# Altium PCB joyv2.PcbDoc
Units mil, origin at the board's own origin, x right, y up, seen from the top; angles counter-clockwise.
Board outline 3891.38 x 2896.04 mil, 2 copper layers (Top Layer, Bottom Layer); 46 components, 51 nets, 194 pads, 42 vias.
Unrouted connection lines stored in the file: 5.
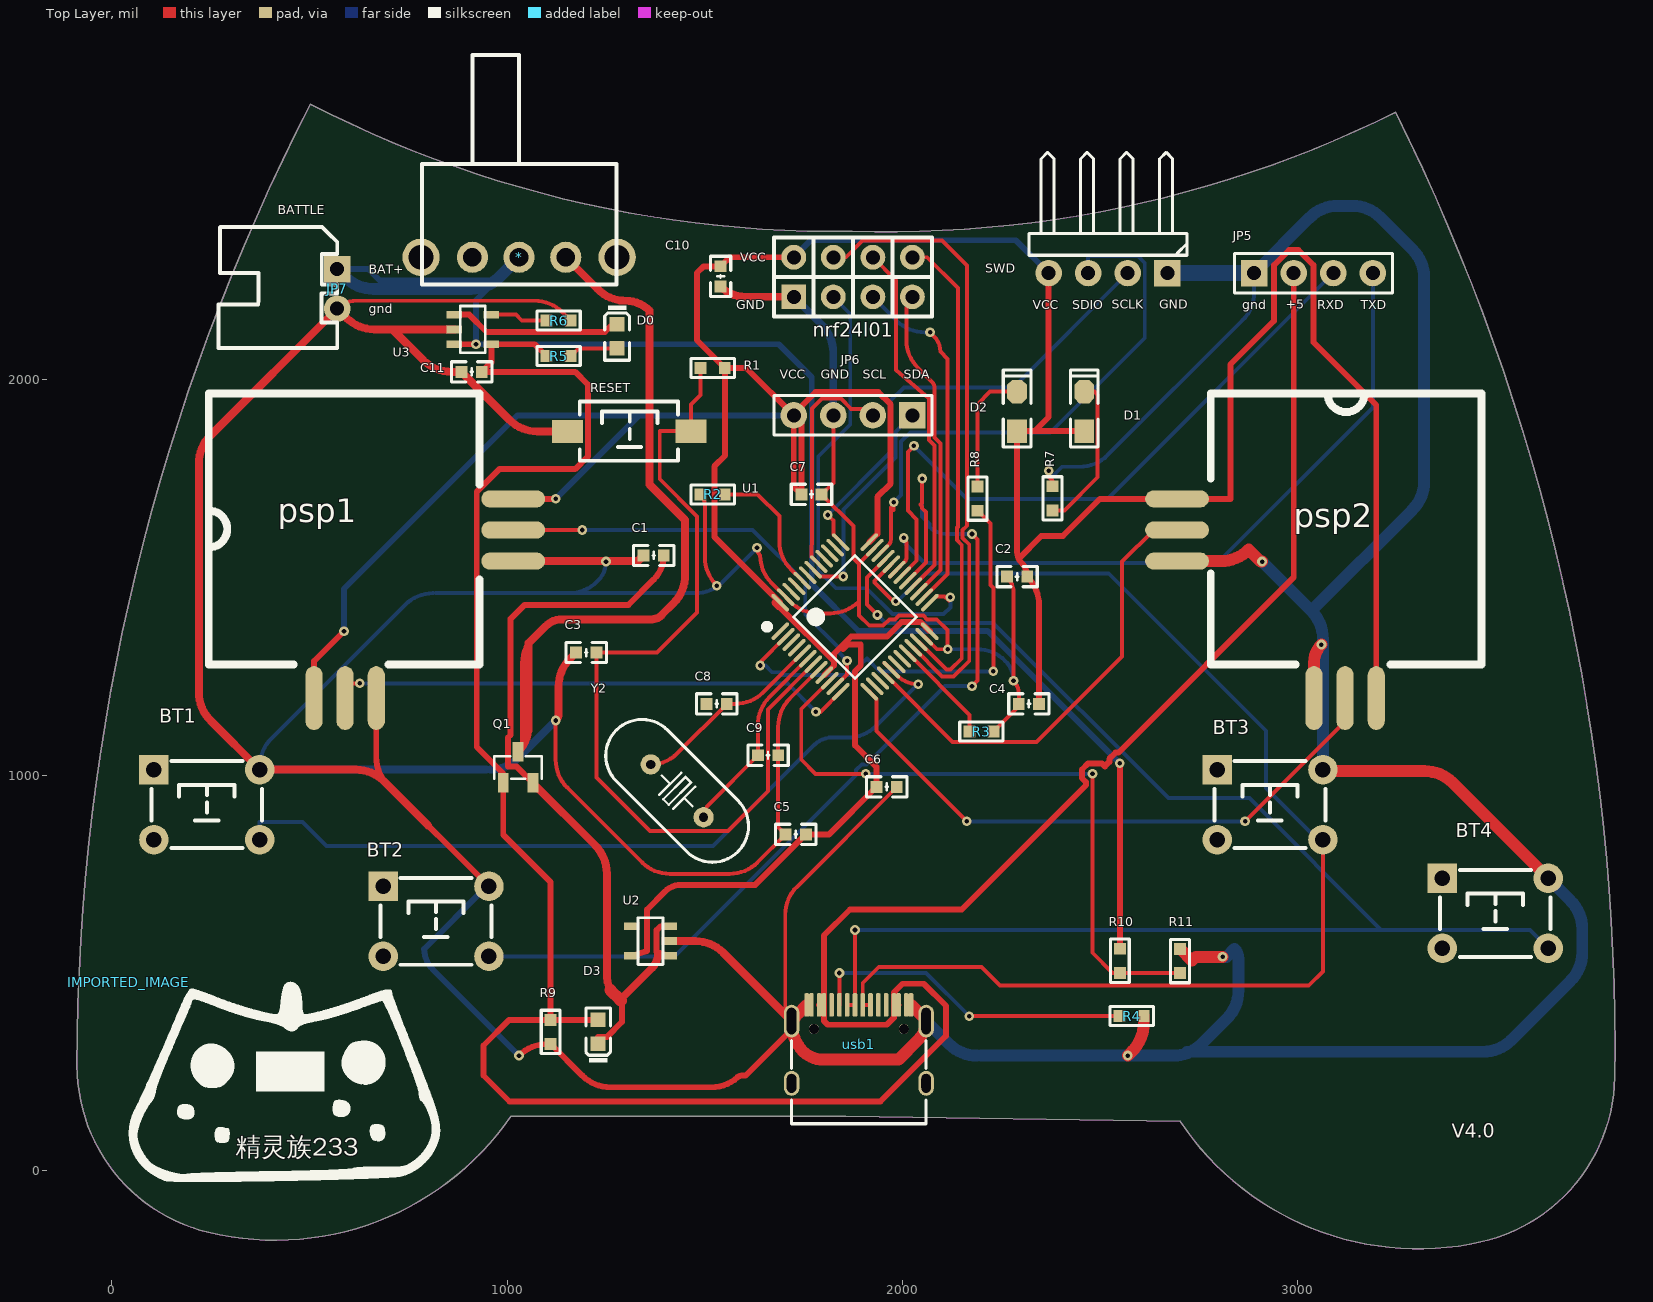
[diagram p0: Top Layer view]
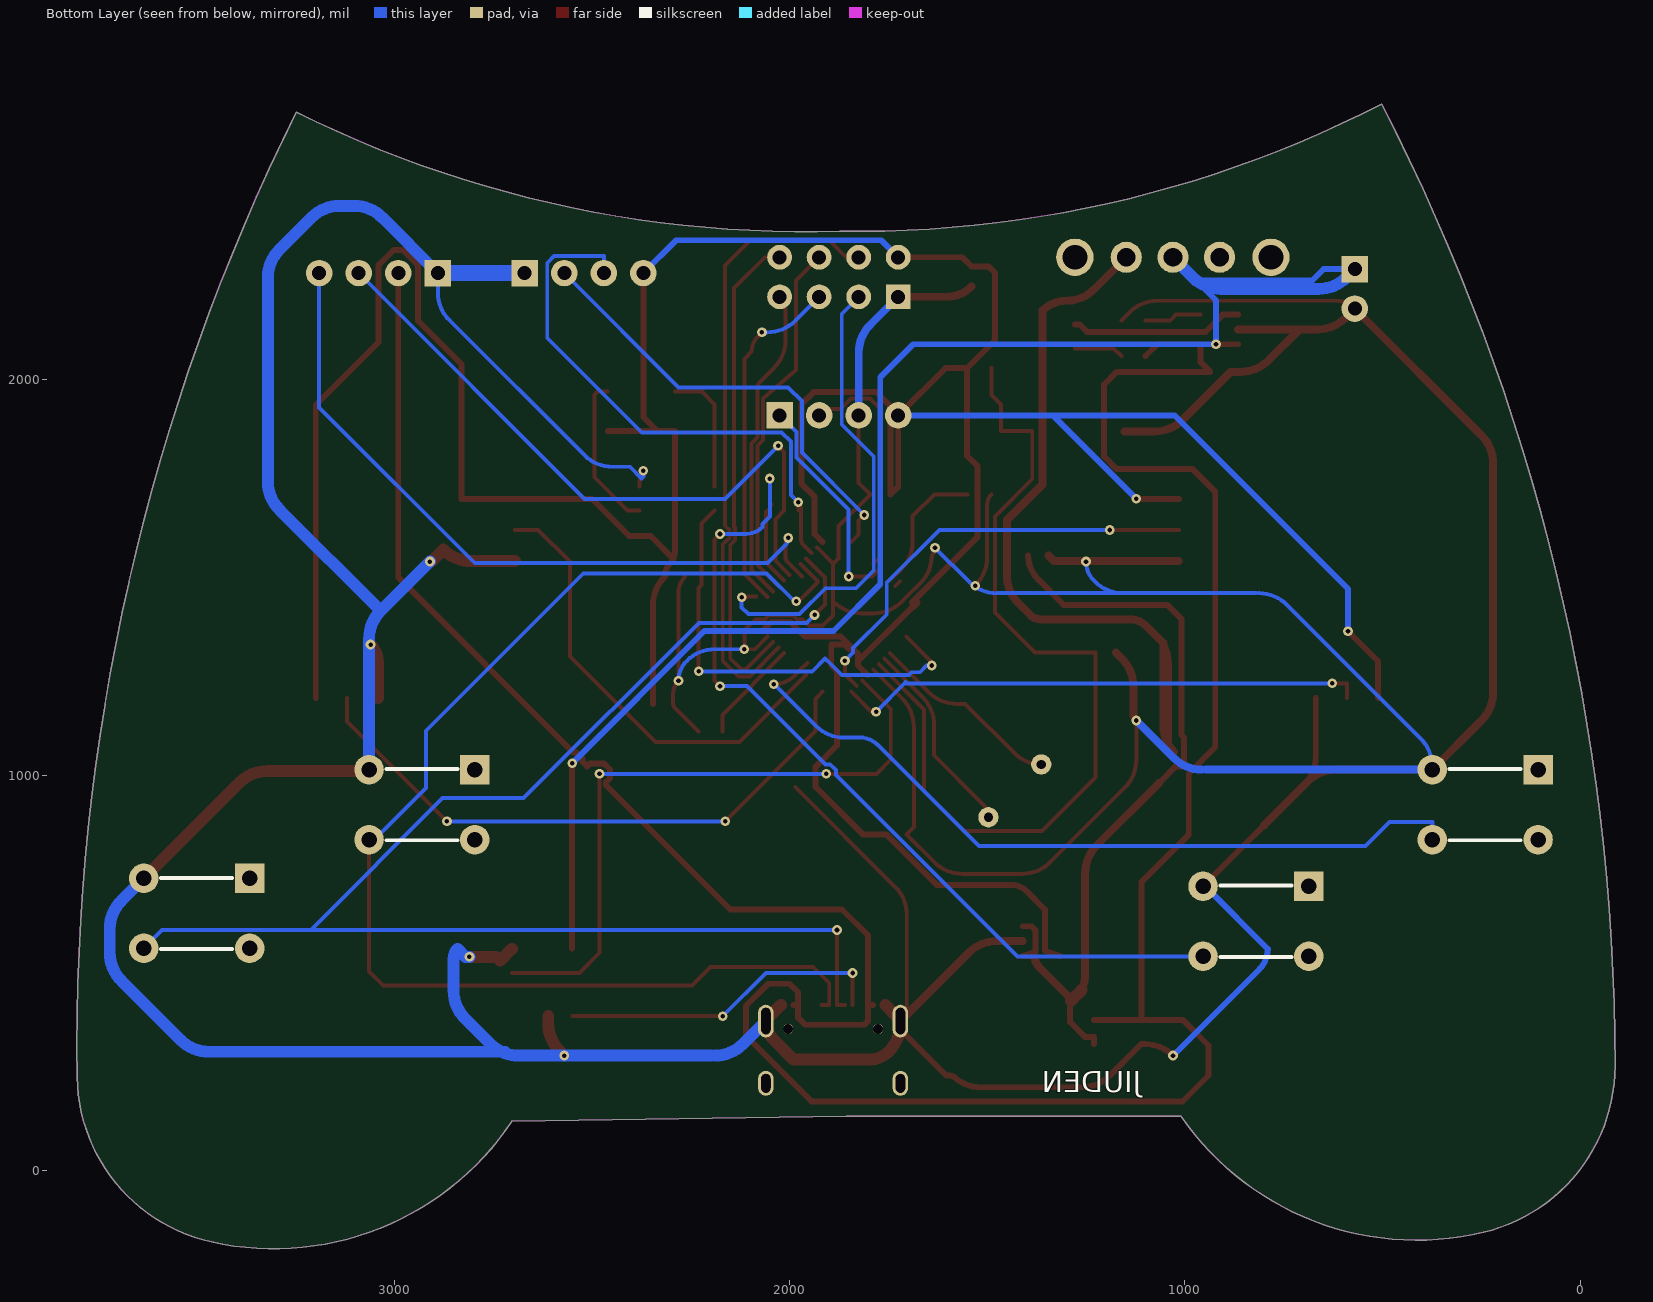
[diagram p1: Bottom Layer view, seen from below]

## Layer stack, top to bottom
Top Solder: solder mask 0.4, Solder Resist, Dk 3.5
Top Layer: signal copper 1.4
Dielectric 1: dielectric 12.6, FR-4, Dk 4.8
Bottom Layer: signal copper 1.4
Bottom Solder: solder mask 0.4, Solder Resist, Dk 3.5

## Board outline
244.5,-157.25 cw(c345.17,264.58) -88.5,264.58 cw(c5216.45,264.58) 502.27,2697.5 ccw(c1828.77,5267.79) 1872.79,2375.72 ccw(c1960.09,5266.81) 3247.97,2676.96 cw(c-1502.07,314.84) 3802.28,235.47 cw(c3368.66,241.96) 3463,-181.32 cw(c3305.38,525.91) 2702.44,124.04 1856.04,136.71 1009.55,136.71 cw(c412.69,547.55)

## Design rules (kind name [scope] priority, off if disabled: settings)
Clearance [All] p1: gap=3.94 ignorepadtopadclearanceinfootprint=FALSE except(6.69: Arc-Via Track-Via; 9.84: Via-Via)
PolygonConnect [All] p1: connectstyle=Relief reliefconductorwidth=10 reliefentries=4 polygonreliefangle="90 Angle" airgapwidth=10
RoutingVias [All] p1: holewidth=11.81 width=24.68 viastyle="Through Hole" minholewidth=9.84 minwidth=17.72 maxholewidth=40 maxwidth=50
SolderMaskExpansion [All] p1: expansion=4
Width POWER [InNetClass('power')] p1: maxlimit=100 minlimit=5 preferedwidth=15
Width [All] p2: maxlimit=100 minlimit=6 preferedwidth=10
30 further rules are at their usual default settings.

## Classes and differential pairs
net class power: +5 BAT BATIN NetC1_2 NetD0_K VCC

## Components (designator, comment, footprint, x,y, rotation, side; value= is the part's Value field where it differs from the comment)
* "拨动开关" SS-12F23 1030,2310 r90 top
BT1 "6x6x5" "TSW DIP-6*6*6" 240,925 r0 top
BT2 "6x6x5" "TSW DIP-6*6*6" 820,630 r0 top
BT3 "6x6x5" "TSW DIP-6*6*6" 2930,925 r0 top
BT4 "6x6x5" "TSW DIP-6*6*6" 3500,650 r0 top
C1 "1uf" "C 0603_L" 1370.6,1555.57 r0 top
C2 "1uf" "C 0603_L" 2290,1501.92 r0 top
C3 "104" "C 0603_L" 1200,1310 r0 top
C4 "104" "C 0603_L" 2320,1180 r0 top
C5 "104" "C 0603_L" 1730,850 r0 top
C6 "10uf" "C 0603_L" 1960,970 r0 top
C7 "104" "C 0603_L" 1770,1710 r0 top
C8 "22pf" "C 0603_L" 1530,1180 r0 top
C9 "22pf" "C 0603_L" 1660,1050 r180 top
C10 "10uf" "C 0603_L" 1539.8,2261.58 r90 top
C11 "10uf" "C 0603_L" 910,2020 r0 top
D0 "红灯 0603" LC-0603_LED_S1 1278.03,2110 r270 top
D1 "LED" "LED 0805G" 2460,1920 r90 top
D2 "LED" "LED 0805G" 2290,1920 r90 top
D3 "红灯 0603" LC-0603_LED_S1 1230,350 r90 top
IMPORTED_IMAGE "Comment" IMPORTED_IMAGE 42.89,475.8 r0 top
JP5 "HDR-1X4" HDR2.54-M-LI-4P 3040,2270 r0 top
JP6 "HDR-1X4" HDR2.54-M-LI-4P 1875,1910 r180 top
JP7 "HDR-1X2" XH2.54-WI-2P 570,2230 r270 top
nrf24l01 "Header 4X2" HDR2.54-LI-2x4P 1875,2260 r0 top
psp1 "1" PSP摇杆 590,1620 r0 top
psp2 "" PSP摇杆 3120,1620 r270 top
Q1 "CJ2301" CJ2301 17624.4,17971.99 r270 top
R1 "1K" "R 0603_L" 1520,2030 r0 top
R2 "10K" "R 0603_L" 1520,1710 r180 top
R3 "10K" "R 0603_L" 2200,1110 r180 top
R4 "5.1K" "R 0603_L" 2580,390 r180 top
R5 "2K" "R 0603_L" 1130,2060 r0 top
R6 "2K" "R 0603_L" 1130,2150 r0 top
R7 "680" "R 0603_L" 2380,1700 r270 top
R8 "680" "R 0603_L" 2190,1699.41 r270 top
R9 "10K" "R 0603_L" 1110,350 r90 top
R10 "10K" "R 0603_L" 2550,530 r90 top
R11 "10K" "R 0603_L" 2702.44,529.41 r270 top
RESET "3x6x5" "TSW SMD-3*6*2.5" 1310,1870 r0 top
SWD "HDR-1X4" HDR2.54-WI-4P 2520,2270 r180 top
U1 "STM32F103C8T6" "TQFP48 7x7_L" 1880,1400 r315 top
U2 "ME6211C25M5G-N" SOT23-5 1410,542.6 r270 top
U3 "TP4054" SOT23-5 865.51,2164.8 r90 top
usb1 "USB-C" USB-C 2084.72,422.64 r180 top
Y2 "8MHz" "OSC HC-49S" 1430,960 r135 top

## Footprints (in the part's own frame and the unit in brackets; to place one, negate y for a bottom-side part, rotate by r counter-clockwise, add the part's x,y. Pads: shape width x height; smd on the part's side, far side on the other; paste and mask are expansions set on the pad)
"C 0603_L" [mil] "无极性贴片电容                                       淘宝ID:黄晶宝石"
  rect 30x30 smd: 1(-25.59,0) 2(25.59,0)
  silkscreen extent -51,-26 51,26, body extent -31,-16 31,16, height 32
CJ2301 [mm]
  rect 1.25x0.7 smd: 1(431.596,-422.514) 2(431.596,-420.614) 3(429.597,-421.564)
  silkscreen extent 429.87,-423.09 431.32,-420.04
HDR2.54-LI-2x4P [mm] "双排排针，4x2脚"
  rect 1.6x1.6 hole 0.9: 1(-3.81,-1.27)
  round 1.6 hole 0.9: 2(-3.81,1.27) 3(-1.27,-1.27) 4(-1.27,1.27) 5(1.27,-1.27) 6(1.27,1.27) 7(3.81,-1.27) 8(3.81,1.27)
  silkscreen extent -5.08,-2.54 5.08,2.54, body extent -5.08,-2.54 5.08,2.54, height 8.5
HDR2.54-M-LI-4P [mm] "排母，4脚"
  rect 1.7x1.7 hole 0.9: 1(-3.81,0)
  round 1.7 hole 0.9: 2(-1.27,0) 3(1.27,0) 4(3.81,0)
  silkscreen extent -5.08,-1.27 5.08,1.27, body extent -5.08,-1.27 5.08,1.27, height 8.5
HDR2.54-WI-4P [mm] "弯脚排针，4脚"
  rect 1.7x1.7 hole 0.9: 1(-3.81,0)
  round 1.7 hole 0.9: 2(-1.27,0) 3(1.27,0) 4(3.81,0)
  silkscreen extent -5.08,-7.76 5.08,-1.14, body extent -5.08,-7.77 5.08,1.27, height 4.85
IMPORTED_IMAGE [mil]
  silkscreen extent 0,-505 787,1
LC-0603_LED_S1 [mm]
  rect 0.93x0.98 smd: A(0.77,0) K(-0.77,0)
  silkscreen extent -1.98,-0.79 1.54,0.79, body extent -0.8,-0.4 0.8,0.4, height 0.6
"LED 0805G" [mil] "绿色0805LED"
  rect 60x50 smd: 1(-50,0)
  oct 60x50 smd: 2(50,0)
  silkscreen extent -90,-35 105,35, body extent -39,-25 39,25, height 32
"OSC HC-49S" [mm]
  round 1.3 hole 0.6: 1(-2.4,0) 2(2.4,0)
  silkscreen extent -5.52,-2.32 5.52,2.33, body extent -5.52,-2.32 5.53,2.33, height 4.13
PSP摇杆 [mm]
  oval 4.1x1.1 smd: 1(10.8,2) 2(10.8,0) 3(10.8,-2)
  oval 1.1x4.1 smd: 4(-2,-10.8) 5(0,-10.8) 6(2,-10.8)
  silkscreen extent -8.76,-8.64 8.64,8.76
"R 0603_L" [mil] "1/10W贴片电阻"
  rect 30x30 smd: 1(-30.59,0) 2(30.59,0)
  silkscreen extent -55,-24 55,24, body extent -31,-16 32,16, height 16
SOT23-5 [mm]
  rect 0.5x1 smd: 1(0,0) 2(-0.95,0) 3(-1.9,0) 4(-1.9,-2.4) 5(0,-2.4)
  silkscreen extent -2.45,-2 0.55,-0.4, body extent -2.4,-2.6 0.5,0.2, height 1.09
SS-12F23 [mm] "脚距3mm"
  round 2.4 hole 1.6: 0(0,6.3) 0(0,-6.3)
  round 2 hole 1.2: 1(0,3) 2(0,0) 3(0,-3)
  silkscreen extent -1.75,-6.25 13,6.25, body extent -0.61,-6.52 12.29,6.48, height 5.75
"TQFP48 7x7_L" [mm] "48脚，体宽：7x7mm, 脚距：0.5mm"
  oval 0.25x1.5 smd: 1(-2.75,-4.046) 2(-2.25,-4.046) 3(-1.75,-4.046) 4(-1.25,-4.046) 5(-0.75,-4.046) 6(-0.25,-4.046) 7(0.25,-4.046) 8(0.75,-4.046) 9(1.25,-4.046) 10(1.75,-4.046) 11(2.25,-4.046) 12(2.75,-4.046) 25(2.75,4.046) 26(2.25,4.046) 27(1.75,4.046) 28(1.25,4.046) 29(0.75,4.046) 30(0.25,4.046) 31(-0.25,4.046) 32(-0.75,4.046) 33(-1.25,4.046) 34(-1.75,4.046) 35(-2.25,4.046) 36(-2.75,4.046)
  oval 1.5x0.25 smd: 13(4.046,-2.75) 14(4.046,-2.25) 15(4.046,-1.75) 16(4.046,-1.25) 17(4.046,-0.75) 18(4.046,-0.25) 19(4.046,0.25) 20(4.046,0.75) 21(4.046,1.25) 22(4.046,1.75) 23(4.046,2.25) 24(4.046,2.75) 37(-4.046,2.75) 38(-4.046,2.25) 39(-4.046,1.75) 40(-4.046,1.25) 41(-4.046,0.75) 42(-4.046,0.25) 43(-4.046,-0.25) 44(-4.046,-0.75) 45(-4.046,-1.25) 46(-4.046,-1.75) 47(-4.046,-2.25) 48(-4.046,-2.75)
  silkscreen extent -3.68,-4.57 2.79,2.79, body extent -4.5,-4.5 4.5,4.5, height 1.05
"TSW DIP-6*6*6" [mm] "6*6*6mm"
  rect 1.9x1.9 hole 1: 1(-3.4,2.25)
  round 1.9 hole 1: 2(-3.4,-2.25) 3(3.4,-2.25) 4(3.4,2.25)
  silkscreen extent -3.56,-2.79 3.56,2.79, body extent -4.11,-3 4.11,3, height 5.95
"TSW SMD-3*6*2.5" [mm] "3*6*2.5mm"
  rect 2x1.5 smd: 1(-3.996,-0.02) 2(3.937,0)
  silkscreen extent -3.21,-1.9 3.09,1.9, body extent -4,-1.88 4,1.62, height 2.59
USB-C [mm]
  round 0.65 hole 0.65: 0(2.063,1.647) 0(7.843,1.647)
  oval 1x1.6 hole 0.6 slot 1.2 at 90 deg: 1(0.628,5.147) 2(9.278,5.147)
  oval 1x2.1 hole 0.6 slot 1.7 at 90 deg: 3(9.278,1.147) 4(0.628,1.147)
  rrect50% 0.3x1.5 smd: A1(8.303,0.107) A4(7.503,0.107) A5(6.203,0.107) A6(5.203,0.107) A7(4.703,0.107) A8(3.703,0.107) A9(2.403,0.107) A12(1.603,0.107) B1(1.903,0.107) B4(2.703,0.107) B5(3.203,0.107) B6(4.203,0.107) B7(5.703,0.107) B8(6.703,0.107) B9(7.203,0.107) B12(8.003,0.107)
  silkscreen extent 0.63,2.41 9.28,7.75, body extent 0.48,0.06 9.43,7.81, height 3.26
XH2.54-WI-2P [mm] "接插件，2P"
  rect 1.7x1.7 hole 0.9: 1(-1.27,0)
  round 1.7 hole 0.9: 2(1.27,0)
  silkscreen extent -3.99,-7.62 3.81,0, body extent -3.77,-7.35 3.77,0.35, height 5.73

## Part data
BT1 BT2 BT3 BT4: library part "TSW DIP-6x6", "直插6x6轻触开关", BOM名称=Ö±²å6x6Ç, 唯一出售店铺网址=https://shop463601444.tao, 版权归属=封装库来自淘
C1 C2 C3 C4 C5 C6 C7 C8 C9 C10 C11: library part C, "贴片电容"
D0 D3: library part "0603 红灯", "发光二极管", Package=0603, SuppliersPartNumber=C2286, ComponentLink1Description=供应商, ComponentLink1URL=http://www.szlcsc.com/product/details_2659.html, Supplier=LC
JP5 JP6 SWD: library part "Header 4", "4P接插件"
  JP5 JP6: BOM名称=4P接, 学习资源=https://shop463601444.taobao., 版权归属=封装库来自淘
JP7: library part "Header 2", "2P接插件", BOM名称=2P接, 版权归属=封装库来自淘, 联系售后=https://shop463601444.taobao.
nrf24l01: "4*2P接插件"
psp1 psp2: library part PSP摇杆
R1 R2 R3 R4 R5 R6 R7 R8 R9 R10 R11: library part R, "贴片电阻"
RESET: library part "TSW 3x6", "3x6轻触开关", BOM名称=3x6Çá´, 学习资源=https://shop463601444.taobao., 版权归属=封装库来自淘
Y2: library part XTAL-2P, "2脚无源脚晶振"

## Via types
v1: diameter 24.68, hole 11.81, Top Layer to Bottom Layer, 42 vias

## Nets (pads, with @x,y where several pads share a name; then routed paths per layer and width w, separated by ;. In a path a pad name is that pad's centre, name@x,y a point inside that pad or via, vN(x,y) a via of type N, cw(c..) or ccw(c..) an arc to the next point about the centre after c; other vN are vias at no path point)
+5: C11.2 D3.A JP5.2 Q1.1 R5.1 R9.2 U3.4 usb1.A4 usb1.A9 usb1.B4 usb1.B9 | length 7200.7
  Top Layer w15: R5.1 1069.41,2090 U3.4 960,2044.41 C11.2 1172,2020 1204,1988 1204,1806 1172,1774 980,1774 923,1717 923,1070.75 990,1003.75 Q1.1 990,849 1110,729 R9.2 ; D3.A 1169.27,380.32 1169,380.59 R9.2 ; usb1.A4 usb1.B9 ; usb1.A9 usb1.B4 ; JP5.2 2990,1500 2546.54,1056.54 2539.01,1056.54 2523.46,1040.99 2523.46,1033.46 2511.98,1021.98 2504.42,1029.54 2470.01,1029.54 2454.46,1013.99 2454.46,992.01 2464.56,981.91 2464.56,974.56 2150,660 1867.14,660 1801.14,594 usb1.B9 ; R9.2 1004.76,380.59 940,315.83 940,240 1006,174 1944,174 2110,340 2110,416 2054,472 2000.31,472 1978.31,450 usb1.B4 ; usb1.B9 1801.14,378 1811,368.14 1960.45,368.14 1978.31,386 usb1.B4
BAT: *.2 JP7.1 R10.2 U3.3 | length 4000.1
  Top Layer w15: U3.3 v1(921,2090) ; R10.2 v1(2550,1030)
  Bottom Layer w15: JP7.1 649,2280 678,2251 969.89,2251 ; 971.78,2251.78 921,2201 v1(921,2090) 1687,2090 1770.53,2006.47 1770.53,1482.47 1888.61,1364.39 2215.61,1364.39 v1(2550,1030)
  Bottom Layer w30: JP7.1 590.71,2259.29 ccw(c661.42,2330) 661.42,2230 908.58,2230 ccw(c908.58,2330) 969.89,2251 ccw(c969.89,2253.68) 971.78,2251.78 *.2
BATIN: *.3 Q1.3 | length 2012.5
  Top Layer w15: Q1.3 ccw(c996.99,1089.15) 1040,1089.15 1040,1282.58 cw(c1140,1282.58) 1053.98,1333.57
  Top Layer w20: Q1.3 ccw(c963.24,1122.89) 1053.98,1122.89 1053.98,1333.57 1096.31,1375.9 cw(c1140,1332.21) 1140,1394 1365.86,1394 ccw(c1365.86,1428.14) 1389.98,1403.98 1420.71,1434.71 ccw(c1350,1505.42) 1450,1505.42 1450,1645 1360,1735 1360,1954.89 1360.11,1955 1360.11,2174.89 ccw(c1299.53,2114.37) 1299.53,2200 cw(c1299.53,2300) 1277.56,2202.44 cw(c1299.53,2300) 1228.82,2229.29 *.3
BOOT0: R2.1 U1.44 | length 344.2
  Top Layer w10: R2.1@1550,1710 R2.1 1633.48,1710 1688.48,1655 1688.48,1591.18 ccw(c1788.48,1591.18) 1717.77,1520.47 U1.44
BOOT1: R3.2 U1.20 | length 262.8
  Top Layer w10: U1.20 2169.41,1152.35 R3.2
GND: BT1.4 BT2.4 BT3.4 BT4.4 C1.1 C2.1 C3.1 C4.1 C5.1 C6.2 C7.2 C8.1 C9.1 C10.1 C11.1 JP5.1 JP6.3 JP7.2 nrf24l01.1 psp1.3 psp1.6 psp2.3 psp2.6 R2.2 R3.1 R4.1 R6.2 R7.1 R9.1 R11.1 RESET.1 SWD.1 U1.8 U1.23 U1.35 U1.47 U2.2 U3.2 usb1.1 usb1.2 usb1.3 usb1.4 usb1.A1 usb1.A12 usb1.B1 usb1.B12 | length 20950.4
  Top Layer w10: JP7.2 cw(c618.28,2131.72) 618.28,2200 1069.17,2200 cw(c1069.17,2100) 1139.88,2170.71 R6.2 ; v1(1122.7,1137.86) 1122.7,1038.72 ccw(c1222.7,1038.72) 1151.99,968.01 1340.71,779.29 ccw(c1411.42,850) 1411.42,750 1562.99,750 ccw(c1562.99,850) 1633.7,779.29 C5.1 1685.59,868.81 C9.1 1685.59,1122.41 cw(c1785.59,1122.41) 1714.88,1193.12 U1.8 ; R2.2 cw(c1463.84,1684.43) 1500,1684.43 1500,1551.42 ccw(c1600,1551.42) 1529.29,1480.71 cw(c1527.57,1478.99) v1(1530,1478.99) ; v1(1632,1574.88) ccw(c1659.31,1574.88) 1640,1555.57 ccw(c1738.61,1555.57) 1668.88,1485.84 U1.47 1716.43,1438.29 ccw(c1787.15,1509) 1787.15,1409 1817.58,1409 ccw(c1817.58,1509) 1888.29,1438.29 1890,1440 ; usb1.3@1703.46,393.46 1703.46,646.45 cw(c1803.46,646.45) 1732.75,717.16 C6.2 ; JP6.3 1825,1739.41 C7.2 1876,1629.58 1876,1547.62 1890,1533.62 ; U1.35 1891.17,1536.45 ccw(c1893.99,1533.62) 1890,1533.62 ; U1.23 2086.97,1318.31 v1(2114.39,1318.31) 2114.39,1366.4 2086.79,1394 2062.36,1394 2052.92,1403.44 1991.02,1403.44 1981.58,1394 1967.11,1394 1951.11,1378 1916,1378 1890,1404 1890,1440 ; R3.1 2290.04,1169.45 ccw(c2279.49,1180) C4.1 2294.41,1205.91 ccw(c2248.64,1205.91) v1(2281,1238.28) 2281,1461.85 ccw(c2224.34,1461.85) C2.1 ; v1(2370,1770) 2370,1755.42 2374.71,1750.71 cw(c2361.94,1737.94) 2380,1737.94 R7.1 ; 1890,1440 1890,1533.62
  Top Layer w15: psp1.6 668.74,1045.12 ccw(c768.74,1045.12) 698.03,974.41 BT2.4 ; v1@1030.12,290.12 cw(c1100.83,219.41) 1100.83,319.41 R9.1 1190.12,239.29 ccw(c1260.83,310) 1260.83,210 1516.41,210 ccw(c1516.41,310) 1583.12,235.51 cw(c1593.08,224.29) 1593.03,239.29 1602.91,239.29 1719.45,355.83 usb1.3@1719.45,371.62
  Top Layer w20: 220,1790 220,1788.58 ; 800,872.44 688.15,984.29 ccw(c617.44,913.58) 617.44,1013.58 BT1.4 249.29,1138.15 cw(c320,1208.86) 220,1208.86 220,1788.58 ; U3.2 710,2127.4 ; psp1.3 1149.84,1541.26 1250,1541.26 1328.65,1541.26 ccw(c1328.65,1546.23) 1332.15,1542.71 C1.1 ; v1(1122.7,1137.86) ccw(c1106.1,1155.05) 1130,1155.05 1130,1224.17 cw(c1230,1224.17) 1159.29,1294.88 C3.1 ; RESET.1 1076.61,1869.21 cw(c1076.61,1969.21) 1005.9,1898.5 C11.1 858.83,2020 cw(c858.83,2120) 788.12,2049.29 710,2127.4 ; U2.2 1475.51,580 cw(c1475.51,480) 1546.22,550.71 usb1.3 ; C10.1 ccw(c1602.53,2298.71) 1602.53,2210 nrf24l01.1 ; usb1.3@1720.11,360.17 ccw(c1819.45,371.62) 1748.74,300.91 ; 220,1788.58 cw(c320,1788.58) 249.29,1859.29 JP7.2 593.31,2156.69 ccw(c664.02,2227.4) 664.02,2127.4 710,2127.4
  Top Layer w30: usb1.3 1719.45,371.62 ccw(c1819.45,371.62) usb1.3@1720.11,360.17 ; usb1.A1 1734.62,395.21 ccw(c1769.67,360.17) 1723.36,377.82 ccw(c1769.67,360.17) usb1.3@1720.11,360.17 ; usb1.A12 2058.19,381.85 cw(c2053.82,377.48) usb1.4 cw(c1993.66,377.48) 2040.57,330.57 1990,280 1799.22,280 cw(c1799.22,351.39) 1748.74,300.91 cw(c1819.45,371.62) usb1.3@1720.11,360.17 ; v1(2570,290.12) 2570.12,290.12 2581.3,301.3 ccw(c2510.59,372.01) 2610.59,372.01 R4.1 ; psp2.6 2805.52,1541.26 ccw(c2805.52,1641.26) 2876.23,1570.55 2906.78,1540 v1(2910,1540) ; R11.1 2732.44,530 2742.44,540 v1(2810,540) ; psp2.3 3041.26,1284.76 cw(c3105.24,1284.76) v1(3060,1330) ; BT3.4 ccw(c3072.51,1022.23) 3072.51,1010 3321.02,1010 cw(c3321.02,910) 3391.73,980.71 BT4.4
  Bottom Layer w10: BT1.4 373.86,1021.44 cw(c473.86,1021.44) 403.15,1092.15 741.71,1430.71 cw(c812.42,1360) 812.42,1460 ; 819.35,1460 1156.61,1460 ; v1(1250,1540) cw(c1182.32,1540) 1230.18,1492.15 1227.32,1489.29 cw(c1156.61,1560) 1156.61,1460 ; v1(1632,1574.88) 1546.41,1489.29 cw(c1475.7,1560) 1475.7,1460 1156.61,1460 ; v1(2114.39,1318.31) 2189.27,1318.31 cw(c2189.27,1218.31) 2259.98,1289.02 cw(c2209.24,1238.28) v1(2281,1238.28) ; v1(2370,1770) 2370,1755.42 2374.71,1750.71 2404,1780 2448.58,1780 ccw(c2448.58,1880) 2519.29,1809.29 2860.71,2150.71 ccw(c2790,2221.42) 2890,2221.42 JP5.1
  Bottom Layer w15: BT2.4 ccw(c953.86,705.84) 944.86,714.86 790,560 ccw(c862.14,560) 811.13,508.99 v1(1030,290.12)
  Bottom Layer w20: BT1.4 947,1013.58 ; 957,1013.58 ccw(c957,1113.58) 1027.72,1042.87 v1(1122.7,1137.86) ; nrf24l01.1 1795.71,2139.29 cw(c1725,2068.58) 1825,2068.58 JP6.3
  Bottom Layer w30: usb1.4 2118.07,319.41 ccw(c2188.78,390.12) 2188.78,290.12 ; 2198.78,290.24 2695.7,290.24 ; 2685.7,290.12 ccw(c2685.7,390.12) 2729.04,300 ; 2720,300 2729.04,300 ; v1(2810,540) 2820,540 2840,560 cw(c2815.86,535.86) 2850,535.86 2850,454.42 cw(c2750,454.42) 2820.71,383.71 2756.41,319.41 cw(c2685.7,390.12) 2729.04,300 ; JP5.1 3030.71,2410.71 cw(c3101.42,2340) 3101.42,2440 3138.58,2440 cw(c3138.58,2340) 3209.29,2410.71 3290.71,2329.29 cw(c3220,2258.58) 3320,2258.58 3320,1742.28 cw(c3220,1742.28) 3290.71,1671.57 3034.57,1415.43 ; v1(2910,1540) 3034.57,1415.43 ; BT3.4 3063.86,1344.72 ccw(c2963.86,1344.72) 3034.57,1415.43 ; BT4.4@3633.86,751.02 BT4.4 3690.71,681.73 cw(c3620,611.02) 3720,611.02 3720,541.42 ; 3720,550.42 cw(c3620,550.42) 3690.71,479.71 3540.29,329.29 cw(c3469.58,400) 3469.58,300 2729.04,300
  Bottom Layer w40: SWD.1 JP5.1
NetC1_2: C1.2 D3.K Q1.2 U2.1 U2.3 | length 2022.5
  Top Layer w15: Q1.2 1022.8,1022 1002.18,1022 1002.18,1095 1008.7,1101.52 1008.7,1395.4 1044,1430.7 1306.7,1430.7 1371.17,1495.17 ccw(c1310.78,1555.56) C1.2 ; D3.K 1230,337 1252,337 1290,375 1290,426.96 1288,428.96 ; 1381.5,549.1 1388,542.6 U2.1 1389.96,548.86 1382.19,551.29 1378,552.6 1378,607.4 1388,617.4 U2.3
  Top Layer w20: Q1.2 1222.71,822.09 cw(c1152,751.38) 1252,751.38 1252,497.42 ccw(c1352,497.42) 1261,455.96 ; 1285.77,431.19 1365.82,511.24 ccw(c1327.96,549.1) 1381.5,549.1
  Top Layer w30: 1261,455.96 1285.77,431.19 1288,428.96
NetD0_A: D0.A R5.2 | length 125.6
  Top Layer w10: R5.2 1180.27,2079.68 D0.A
NetD0_K: D0.K U3.1 | length 438.7
  Top Layer w15: U3.1 904,2164.8 947.8,2121 1246.93,2121 1266.24,2140.31 D0.K
NetD1_2: D1.2 R7.2 | length 394.7
  Top Layer w10: R7.2 2410.01,1669.41 2494,1753.4 2494,1962 2486,1970 D1.2
NetD2_2: D2.2 R8.1 | length 321.3
  Top Layer w10: R8.1 2190,1938 2222,1970 D2.2
NetR4_2: R4.2 usb1.A5 | length 834.6
  Top Layer w10: usb1.A5 v1(1840.51,499) ; v1(2169,390) R4.2
  Bottom Layer w10: v1(1840.51,499) 2060,499 v1(2169,390)
NetR6_1: R6.1 U3.5 | length 145.5
  Top Layer w10: U3.5 1022,2164.8 1036.8,2150 R6.1
NRST: C3.2 R1.1 RESET.2 U1.7 | length 2261
  Top Layer w10: R1.1 1489.41,1961.41 1465,1937 RESET.2 1386,1870 1386,1748.58 1480,1654.58 1480,1411 1379,1310 C3.2 1225.59,993.41 1361,858 1559,858 1660,959 1660,1166.08 U1.7
OSCIN: C8.2 U1.5 Y2.2 | length 491.5
  Top Layer w10: Y2.2 ccw(c1363.19,1121.49) 1430.13,1054.54 C8.2 1576.81,1180 ccw(c1576.81,1280) 1647.53,1209.29 U1.5
OSCOUT: C9.2 U1.6 Y2.1 | length 504
  Top Layer w10: Y2.1 cw(c1543.22,893.19) 1510.39,925.98 C9.2 1634.41,1126.91 cw(c1734.41,1126.91) 1663.7,1197.62 U1.6
PA0: R10.1 R11.2 U1.10 | length 1676.8
  Top Layer w10: U1.10 1744,1166.56 1744,1039 1780,1003 v1(1907,1003) ; v1(2481,1003) 2481,550.41 2532,499.41 R10.1 2625,499.41 2625.59,498.82 R11.2
  Bottom Layer w10: v1(1907,1003) v1(2481,1003)
PA1: psp1.2 U1.11 | length 1112.4
  Top Layer w10: psp1.2 v1(1190,1620) ; U1.11 1860,1254.72 v1(1860,1289)
  Bottom Layer w10: v1(1190,1620) 1620.87,1620 1754.09,1486.78 1754.09,1405.91 1838.95,1321.05 1838.95,1310.05 v1(1860,1289)
PA2: psp1.5 U1.12 | length 1346.1
  Top Layer w10: psp1.5 590,1232 v1(627,1232) ; v1(1781,1160) 1793.11,1160 U1.12
  Bottom Layer w10: v1(627,1232) 1706.08,1232 1706.08,1234.92 v1(1781,1160)
PA3: psp2.2 U1.13 | length 1550.8
  Top Layer w10: U1.13 1934,1192.89 1934,1111.79 v1(2162.79,883) ; v1(2867,883) 3120,1136 psp2.2
  Bottom Layer w10: v1(2162.79,883) v1(2867,883)
PA4: U1.14
PA5: U1.15
PA6: psp2.5 U1.16 | length 1169.2
  Top Layer w10: U1.16 2126.4,1084 2339.72,1084 2556,1300.28 2556,1540 2636,1620 psp2.5
PA7: BT1.3 U1.17 | length 2003.7
  Top Layer w10: U1.17@1954.24,1284 U1.17 1985.78,1252.46 ccw(c2040,1306.68) v1(2040,1230)
  Bottom Layer w10: BT1.3 373.86,881 482,881 543,820 1521,820 1777.73,1076.73 cw(c1821.83,1032.63) 1821.83,1095 1862.58,1095 ccw(c1862.58,1195) 1933.29,1124.29 2039,1230 v1(2040,1230)
PA8: BT2.3 U1.29 | length 2436.8
  Top Layer w10: U1.29 2060,1538.24 2060,1665.05 2050,1675.05 ccw(c2036.73,1675.05) 2046.11,1684.43 2050,1688.32 v1(2050,1750) ; v1(2176,1224.73) 2190,1238.73 2190,1596 v1(2176,1610)
  Bottom Layer w10: BT2.3 953.86,541 1423.55,541 1882.96,1000.42 1882.96,1012.96 1897.04,1027.04 1909.58,1027.04 2107.27,1224.73 v1(2176,1224.73) ; v1(2050,1750) 2050,1653.66 2068.83,1634.83 2068.83,1627.05 ccw(c2110,1668.22) 2110,1610 v1(2176,1610)
PA9: JP5.3 U1.30 | length 1711.4
  Top Layer w10: U1.30 2036.06,1542.14 2036.06,1646.94 2013.52,1669.48 2013.52,1817.52 v1(2029,1833)
  Bottom Layer w10: v1(2029,1833) 2163.26,1698.74 2518.74,1698.74 JP5.3
PA10: JP5.4 U1.31 | length 1838
  Top Layer w10: U1.31@1968,1501.92 U1.31 2005.69,1539.61 ccw(c1995.28,1550.02) 2010,1550.02 2010,1584.32 ccw(c1987.82,1584.32) v1(2003.5,1600)
  Bottom Layer w10: v1(2003.5,1600) ccw(c2031.28,1600) 2011.64,1580.36 2055.55,1536.45 2796.45,1536.45 3190,1930 JP5.4
PA11: BT3.3 U1.32 usb1.A7 usb1.B6 | length 3242.9
  Top Layer w10: usb1.B6 usb1.A7 1899.57,473.57 1940,514 2200,514 2247,467 3028,467 3063.86,502.86 BT3.3 ; U1.32 1928.89,1490.65 1928.89,1486.75 1975.64,1440 v1(1983,1440)
  Bottom Layer w10: v1(1983,1440) 1983,1434.8 2058.2,1510 2522,1510 2920,1112 2920,967 3050.58,836.42 BT3.3
PA12: BT4.3 U1.33 usb1.A6 usb1.B7 | length 3760.2
  Top Layer w10: usb1.B7 usb1.A6 v1(1879.88,608) ; v1(1936.66,1405.2) 1910,1431.86 1910,1499.6 U1.33
  Bottom Layer w10: v1(1879.88,608) 3211,608 ; v1(1936.66,1405.2) 1957.16,1384.7 2229.3,1384.7 2672.58,941.42 2877.58,941.42 3211,608 ; BT4.3 3587.28,608 3211,608
PA15: U1.38
PB0: U1.18
PB1: U1.19
PB3: U1.39
PB4: U1.40
PB5: JP6.2 U1.41 | length 592.7
  Top Layer w10: U1.41 1770,1551.76 1771,1612 1771,1927.4 1796,1952.4 1844,1952.4 1870.4,1926 1925,1926 JP6.2
PB6: JP6.1 U1.42 | length 563.5
  Top Layer w10: U1.42 1791.72,1502.2 v1(1850.49,1502.2)
  Bottom Layer w10: v1(1850.49,1502.2) 1850.49,1671.49 1982.94,1803.94 1982.94,1867.94 JP6.1
PB7: U1.43
PB8: U1.45 | length 17.6
  Top Layer w10: U1.45@1720.1,1490.31 U1.45
PB9: U1.46
PB10: nrf24l01.4 U1.21 | length 1581.4
  Top Layer w10: nrf24l01.4 1857,2310 1899,2352 2100,2352 2162.79,2289.21 2162.79,1630.78 2151.96,1619.96 2151.96,1600.04 2169,1583.01 2169,1289 2129.01,1249.01 2100.59,1249.01 U1.21
PB11: nrf24l01.8 U1.22 | length 1239.2
  Top Layer w10: nrf24l01.8 2062,2310 2140,2232 2140,1627.7 2138.03,1625.73 2138.03,1594.27 2150,1582.3 2150,1295.32 2121.18,1266.5 2110.93,1266.5 2071.72,1305.72 U1.22
PB12: nrf24l01.3 U1.25 | length 1204.4
  Top Layer w10: U1.25@2084.86,1451.64 2106.72,1451.64 2117.43,1440.93 2121.18,1444.68 v1(2121.18,1450)
  Bottom Layer w10: nrf24l01.3 1868,2167 1868,1887 1786.96,1805.96 1786.96,1517.04 1831.43,1472.57 1909.29,1472.57 1974.53,1407.33 2104.33,1407.33 2121.18,1424.18 v1(2121.18,1450)
PB13: nrf24l01.5 U1.26 | length 888.5
  Top Layer w10: U1.26 2114.39,1509.11 2114.39,2052.98 2096,2071.37 ccw(c2041.37,2071.37) 2080.02,2109.98 v1(2070,2120)
  Bottom Layer w10: nrf24l01.5 1985.71,2149.29 ccw(c2056.42,2220) 2056.42,2120 v1(2070,2120)
PB14: nrf24l01.7 U1.27 | length 803.4
  Top Layer w10: nrf24l01.7 ccw(c2061.69,2173.31) 2009.8,2173.31 2009.8,2100.59 ccw(c2107.32,2100.59) 2038.37,2031.63 2075.22,1994.78 cw(c2060.43,1980) 2081.34,1980 2081.34,1853.66 2096,1839 2096,1518.56 U1.27
PB15: nrf24l01.6 U1.28 | length 922.7
  Top Layer w10: nrf24l01.6 1984,2251 1984,2025 2067.4,1952.4 2067.4,1867.6 2067.4,1847.89 2081.34,1833.95 2081.34,1531.74 U1.28
PC13: R8.2 U1.2 | length 1154.1
  Top Layer w10: v1(1640,1277) 1640,1285.28 U1.2 ; R8.2 2222.44,1636.38 2222.44,1481.3 2230.59,1473.15 2230,1472.56 v1(2230,1262.47)
  Bottom Layer w10: v1(1640,1277) 1653,1277 1670,1260 1691.18,1260 1698.21,1252.96 1868,1252.96 1894.51,1279.48 1910.04,1295.01 1942.58,1262.47 v1(2230,1262.47)
PC14: U1.3
PC15: U1.4
SWCLK: SWD.2 U1.37 | length 1171.1
  Top Layer w10: v1(1811,1658) 1825,1644 1825,1608.11 U1.37
  Bottom Layer w10: v1(1811,1658) 1969,1816 1969,1946 2004,1981 2281,1981 SWD.2
SWDIO: SWD.3 U1.34 | length 1426.1
  Top Layer w10: U1.34 1965.46,1582.9 ccw(c1952.88,1595.48) 1970.67,1595.48 1970.67,1677.33 1978,1670 v1(1978,1690)
  Bottom Layer w10: v1(1978,1690) 1996.88,1708.88 1996.88,1843.88 2020,1867 2374,1867 2613,2106 2613,2296 2596,2313 2470,2313 SWD.3
VCC: C2.2 C4.2 C5.2 C6.1 C7.1 C10.2 D1.1 D2.1 JP6.4 nrf24l01.2 psp1.1 psp1.4 psp2.1 psp2.4 R1.2 SWD.4 U1.9 U1.24 U1.36 U1.48 U2.5 | length 10901.5
  Top Layer w15: psp1.4 511.26,1288.26 v1(587,1364) ; psp1.1 v1(1123,1698.74) ; U2.5 1354,554.6 1354,660 1399.03,705.03 cw(c1440,664.06) 1440,722 1627.59,722 C5.2 1814.41,850 C6.1 1934,970 1934,1021 1880,1075 1880,1262.47 1894.51,1276.99 1894.51,1330 1860.92,1330 1849.23,1318.31 ; nrf24l01.2 1562.64,2310 C10.2 1497.17,2287.17 1480,2270 1480,2100.59 R1.2 R1.2@1551,2030 ; U1.9 1826.93,1277.33 1826.93,1287.47 ; U1.36 1936.66,1609.77 1936.66,1703.93 1970,1737.27 1970,1938 1939.16,1968.84 1780,1968.84 1744.41,1933.25 C7.1 1725,1729.4 JP6.4 1605,2030 R1.2@1551,2030 ; U1.24 2046.11,1387 1997.82,1387 1961.27,1350.45 1870.45,1350.45 1826.93,1306.93 1826.93,1287.48 1690.81,1423.6 1688.48,1423.6 1676,1436.08 U1.48 1524.15,1602.74 1524.15,1781.15 1551,1808 R1.2@1551,2030 ; C4.2 2345.59,1430.49 ccw(c2245.59,1430.49) 2316.3,1501.21 C2.2 ccw(c2264.55,1501.92) 2300.66,1537.98 cw(c2326.4,1563.72) 2293.84,1547.46 ; SWD.4 2370,1906 2334,1870 ; D1.1 2334,1870 ; psp2.1 3198.74,1936.26 3040,2095 3040,2290 3002,2328 2978,2328 2940,2290 2940,2149 2830,2039 2830,1698.74 psp2.4 2500,1698.74 2406,1604.74 2351.12,1604.74 2293.84,1547.46 ; 2293.84,1547.46 cw(c2326.4,1563.72) 2290,1563.72 D2.1 2334,1870
  Bottom Layer w15: v1(587,1364) 587,1471 1026,1910 1334.26,1910 ; v1(1123,1698.74) 1334.26,1910 ; JP6.4 1334.26,1910 ; nrf24l01.2 1768,2353 2287,2353 SWD.4
pads on no net: *.0 *.1 BT1.1 BT1.2 BT2.1 BT2.2 BT3.1 BT3.2 BT4.1 BT4.2 U1.1 U2.4 usb1.0 usb1.A8 usb1.B5 usb1.B8

## Keep-outs
Keep-Out Layer:
  the board outline again, w0.5

## Other copper
Top Layer:
  region: 1632,1960

## Silkscreen, mask and mechanical layers (free items; w line width, h text height)
Top Overlay:
  text "BATTLE" at 420,2410 h40
  text "BAT+" at 650,2260 h40
  text "VCC" at 2330,2170 h40
  text "SDIO" at 2430,2170 h40
  text "SCLK" at 2530,2170.33 h40
  text "GND" at 2650,2170.33 h40
  text "gnd" at 2860,2170 h40
  text "+5" at 2970,2170.33 h40
  text "RXD" at 3050,2170 h40
  text "TXD" at 3160,2170 h40
  text "gnd" at 650,2160 h40
  text "VCC" at 1690,1994.41 h40
  text "GND" at 1792.82,1994.41 h40
  text "SCL" at 1900,1994.41 h40
  text "SDA" at 2003.5,1994.41 h40
  text "V4.0" at 3390,70 h60
  text "精灵族233" at 313.21,20 h80
Bottom Overlay:
  text "JIUDEN" at 1110,180 h90
Mechanical 15:
  lines w0.1: 470.54,300.54 470.56,300.56

## Text inside footprints (layer, text, board x,y; h text height)
nrf24l01: Top Overlay "VCC" at 1590,2290 h40; Top Overlay "GND" at 1580,2169.06 h40